# Altium PCB BGA_ACUity.PcbDoc (part 4 of 6) (continued)
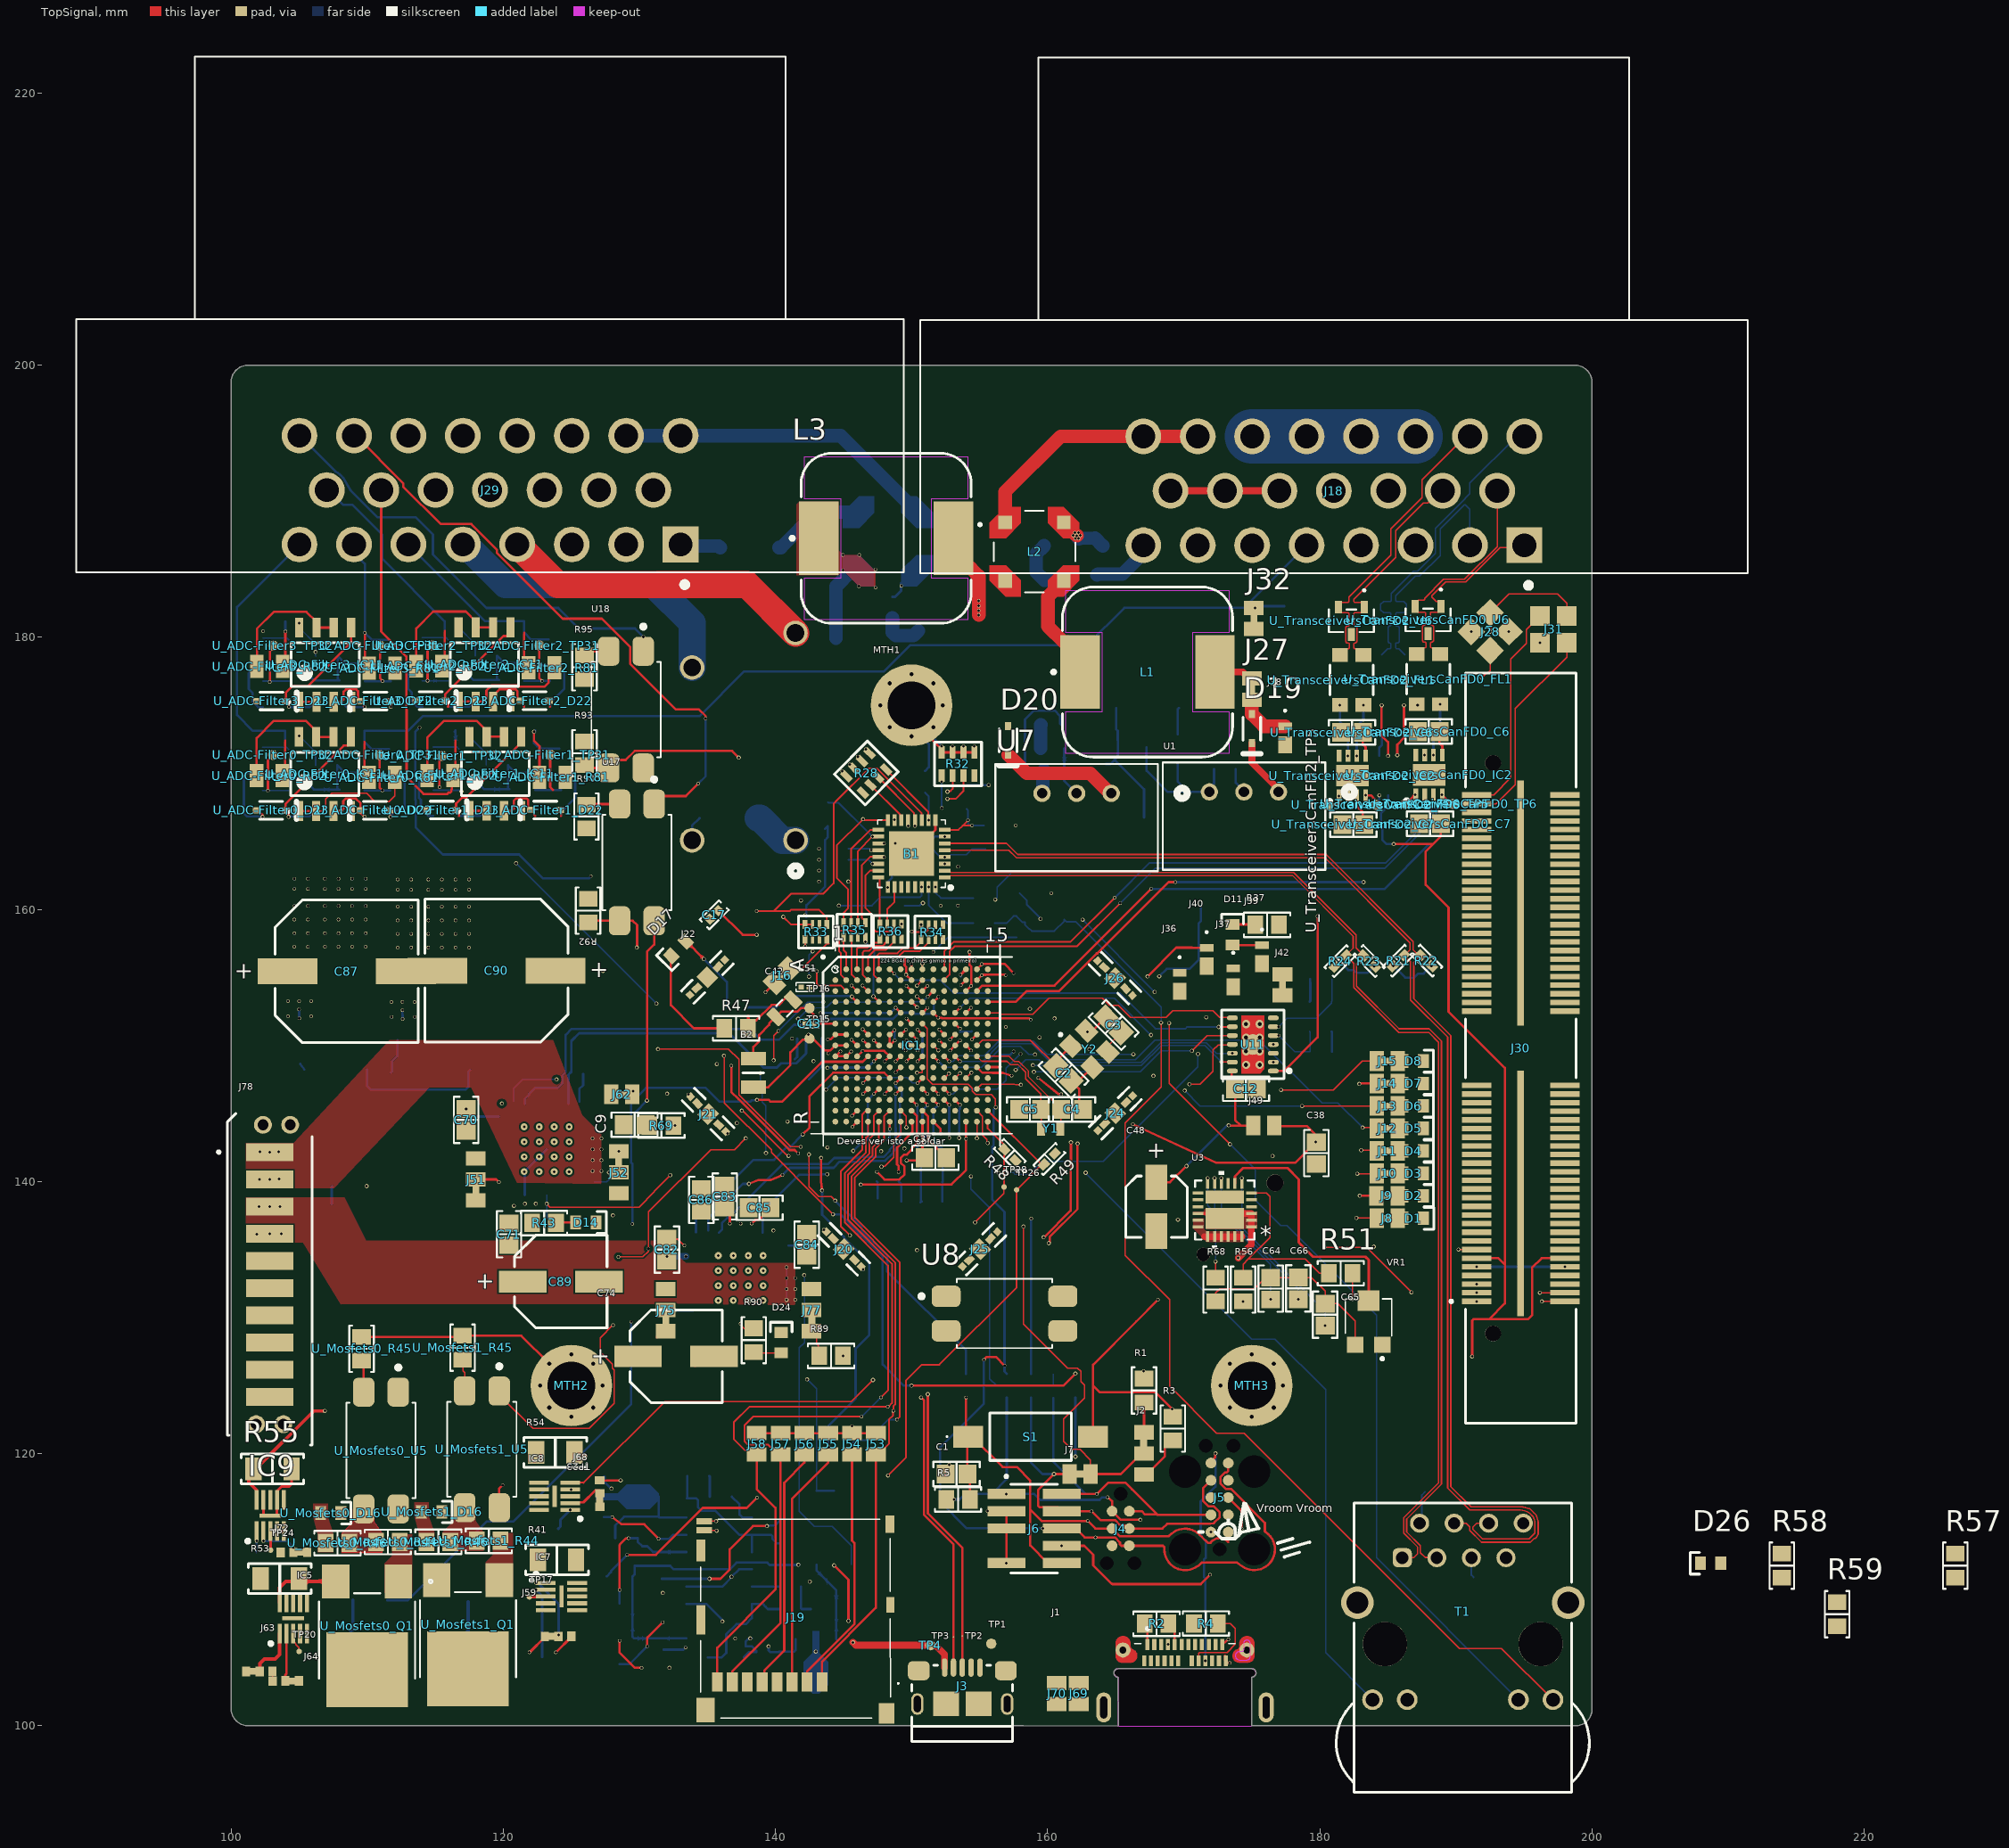
[diagram p0: TopSignal view]
## Nets (pads, with @x,y where several pads share a name; then routed paths per layer and width w, separated by ;. In a path a pad name is that pad's centre, name@x,y a point inside that pad or via, vN(x,y) a via of type N, cw(c..) or ccw(c..) an arc to the next point about the centre after c; other vN are vias at no path point) (continued)
  TopSignal w0.171: U_ADC-Filter2_R82.1@115.504,177.874 115.697,178.067 115.697,180.447
  BottomSignal w0.113: U_ADC-Filter2_R87.1@114.046,179.967 115.801,179.967 U_ADC-Filter2_C79.2@115.951,179.817
  BottomSignal w0.171: J29.15@107.031,190.818 107.152,190.818 108.247,189.723 108.927,189.723 111.1,187.55 111.1,185.773 U_ADC-Filter2_TP30.P2@115.697,181.176 U_ADC-Filter2_C79.2@115.697,180.447
ADC_B3: IC10.6 IC10.7 pad.1@102.342,180.447 pad.1@103.993,180.427 U_ADC-Filter3_C79.2 U_ADC-Filter3_R82.1 U_ADC-Filter3_R87.1 U_ADC-Filter3_TP30.P2 | length 99.7
  TopSignal w0.171: U_ADC-Filter3_R82.1@103.385,177.439 U_ADC-Filter3_R82.1@103.8,177.854 103.993,178.047 pad.1@103.993,180.427
  Ground w0.09: pad.1@103.993,180.427 103.993,178.495 100.664,175.166 100.664,159.096 105.209,154.55 120.1,154.55 125.262,149.388 125.262,141.549 125.915,140.896 125.915,140.858 126.764,140.009 126.926,140.009 128.056,138.88 v1(128.056,137.506)
  Power w0.09: v1(128.056,137.506) 128.056,137.083 130.762,134.377 137.44,127.698 140.088,127.698 v1(142.33,125.456)
  BottomSignal w0.09: v1(142.33,125.456) 143.027,124.758 IC10.6@143.027,117.272
  BottomSignal w0.113: U_ADC-Filter3_R87.1@102.342,179.947 104.097,179.947 U_ADC-Filter3_C79.2@104.247,179.797
  BottomSignal w0.171: pad.1@103.993,180.427 U_ADC-Filter3_TP30.P2@103.993,181.156 ; IC10.6@143.027,117.272 IC10.7@144.297,117.272
AN_ADC_A0: IC1.N10 pad.1@111.116,168.741 pad.1@151.648,143.5 pad.1@151.968,145.632 U_ADC-Filter0_R83.1 U_ADC-Filter0_R85.2 U_ADC-Filter0_TP31.P2 | length 52.4
  TopSignal w0.09: v1(137.531,145.203) 137.568,145.203 140.809,141.962 140.828,141.962 140.903,141.887 v1(140.96,141.887)
  TopSignal w0.171: U_ADC-Filter0_TP31.P2@110.917,171.347 110.917,168.962 111.116,168.762 pad.1@111.116,168.741 ; IC1.N10@151.6,146 pad.1@151.968,145.632
  Ground w0.09: v1(127.327,155.474) 127.336,155.474 137.336,145.475 137.336,145.411 137.531,145.217 v1(137.531,145.203)
  Power w0.09: 118.937,163.864 v1(127.327,155.474) ; v1(140.96,141.887) 141.29,141.843 144.215,139.201 147.993,139.201 149.097,140.305 149.214,140.305 149.445,140.536 149.445,140.566 149.774,140.895 149.782,140.904 151.668,143.348 pad.1@151.648,143.5
  BottomSignal w0.171: U_ADC-Filter0_R83.1@109.811,168.741 pad.1@111.116,168.741 U_ADC-Filter0_R85.2@111.716,168.741 ; pad.1@151.648,143.5 151.6,143.548 151.6,145.264 pad.1@151.968,145.632
AN_ADC_A1: IC1.M10 pad.1@151.968,146.432 U_ADC-Filter1_R83.1 U_ADC-Filter1_R85.2 U_ADC-Filter1_TP31.P2 | length 5.1
  TopSignal w0.171: U_ADC-Filter1_TP31.P2@123.446,171.364 123.446,168.979 123.646,168.78 123.646,168.758 ; IC1.M10@151.6,146.8 pad.1@151.968,146.432
  BottomSignal w0.171: U_ADC-Filter1_R83.1@122.34,168.758 U_ADC-Filter1_R85.2@124.245,168.758
AN_ADC_A2: IC1.L9 pad.1@122.844,176.792 pad.1@150.432,147.232 U_ADC-Filter2_R83.1 U_ADC-Filter2_R85.2 U_ADC-Filter2_TP31.P2 | length 57
  TopSignal w0.171: U_ADC-Filter2_TP31.P2@122.645,179.398 122.645,177.013 122.844,176.813 pad.1@122.844,176.792 ; pad.1@150.432,147.232 IC1.L9@150.8,147.6
  Ground w0.09: pad.1@122.844,176.792 122.844,175.461 130.734,167.571 130.734,152.943 139.271,144.406 v1(140.89,144.406)
  Power w0.09: v1(140.89,144.406) 141.363,144.406 v1(143.712,146.755)
  BottomSignal w0.09: v1(143.712,146.755) 144.584,147.627 149.684,147.627 150.079,147.232 pad.1@150.432,147.232
  BottomSignal w0.171: U_ADC-Filter2_R83.1@121.539,176.792 pad.1@122.844,176.792 U_ADC-Filter2_R85.2@123.444,176.792
AN_ADC_A3: IC1.R10 pad.1@111.14,176.772 U_ADC-Filter3_R83.1 U_ADC-Filter3_R85.2 U_ADC-Filter3_TP31.P2 | length 66.6
  TopSignal w0.171: U_ADC-Filter3_TP31.P2@110.941,179.378 110.941,176.993 111.14,176.793 pad.1@111.14,176.772 ; IC1.R10@151.6,144.4 152.123,143.877 152.123,143.525 v2@152.148,143.5
  Ground w0.09: pad.1@111.14,176.772 124.94,162.972 124.94,157.235 140.84,141.335 142.654,141.335 v1(143.819,142.5)
  Power w0.09: v1(143.819,142.5) 144.197,142.878 145.606,142.878 146.228,143.5 146.487,143.5 147.405,144.418 151.582,144.418 151.969,144.031 151.995,144.005 v2@152.148,143.5
  BottomSignal w0.171: U_ADC-Filter3_R83.1@109.835,176.772 pad.1@111.14,176.772 U_ADC-Filter3_R85.2@111.74,176.772
  other v2: 152.136,143.512
AN_ADC_B0: IC1.R7 pad.1@102.711,168.734 U_ADC-Filter0_R84.2 U_ADC-Filter0_R88.2 U_ADC-Filter0_TP32.P2 | length 69.8
  TopSignal w0.09: v5(147.787,141.088) 147.827,141.129 148.018,141.129 148.677,141.787 148.677,142.991 149.2,143.514 IC1.R7@149.2,144.4
  TopSignal w0.171: pad.1@102.711,168.734 102.711,170.965 103.08,171.333 U_ADC-Filter0_TP32.P2@103.08,171.347
  Ground w0.09: pad.1@102.711,168.734 102.711,166.559 103.936,165.335 108.392,165.335 110.975,162.752 110.975,157.166 112.891,155.25 122.68,155.25 136.835,141.095 147.781,141.095 v5(147.787,141.088)
  BottomSignal w0.113: U_ADC-Filter0_R88.2@102.318,168.741 102.711,168.741 U_ADC-Filter0_R84.2@104.223,168.741
AN_ADC_B1: IC1.M9 pad.1@115.316,168.986 pad.1@151.168,146.432 U_ADC-Filter1_R84.2 U_ADC-Filter1_R88.2 U_ADC-Filter1_TP32.P2 | length 52.1
  TopSignal w0.171: pad.1@115.316,168.95 pad.1@115.316,168.986 115.316,170.914 115.526,171.124 U_ADC-Filter1_TP32.P2@115.526,171.281 ; IC1.M9@150.8,146.8 pad.1@151.168,146.432
  Ground w0.09: v1(116.932,168.664) 116.669,168.401 116.669,167.66 v1(120.941,163.388) ; v1(131.25,153.079) 131.25,153.071 v1(135.686,148.636)
  Power w0.09: v1(135.686,148.636) 136.243,148.636 136.361,148.753 136.656,149.049 137.416,149.809 143.94,149.809 144.926,150.795 147.554,150.795 149.237,149.112 149.237,148.668 149.871,148.035 149.871,146.969 150.04,146.8 150.8,146.8 pad.1@151.168,146.432
  BottomSignal w0.09: v1(120.941,163.388) v1(131.25,153.079)
  BottomSignal w0.113: U_ADC-Filter1_R88.2@114.847,168.758 116.838,168.758 v1(116.932,168.664)
AN_ADC_B2: IC1.M11 pad.1@114.441,176.804 pad.1@152.768,146.432 U_ADC-Filter2_R84.2 U_ADC-Filter2_R88.2 U_ADC-Filter2_TP32.P2 | length 78.4
  TopSignal w0.171: pad.1@114.441,176.768 pad.1@114.441,176.804 114.441,179.014 114.808,179.381 U_ADC-Filter2_TP32.P2@114.808,179.398 ; IC1.M11@152.4,146.8 pad.1@152.768,146.432
  Ground w0.171: v1(141.876,160.657) 141.887,160.669 146.048,160.669 149.217,157.5 156.025,157.5 158.008,155.517 v2(158.008,149.376)
  Power w0.09: v2(113.857,173.356) 114.441,173.94 pad.1@114.441,176.804 ; v2(126.444,162.442) 140.091,162.442 v1(141.876,160.657) ; pad.1@152.749,146.413 pad.1@152.768,146.432
  BottomSignal w0.09: pad.1@152.768,146.432 153.045,146.432 153.413,146.8 156.301,146.8 156.5,146.999 156.955,147.454 156.955,148.323 v2(158.008,149.376)
  BottomSignal w0.113: U_ADC-Filter2_R88.2@114.046,176.792 114.441,176.792 U_ADC-Filter2_R84.2@115.951,176.792
  BottomSignal w0.171: v2(113.857,173.356) 113.538,173.036 113.538,168.068 113.581,168.025 113.581,166.012 115.559,164.034 121.168,164.034 122.92,162.282 126.284,162.282 v2(126.444,162.442)
AN_ADC_B3: IC1.N11 pad.1@102.85,176.711 pad.1@152.768,145.632 pad.1@152.781,143.205 U_ADC-Filter3_R84.2 U_ADC-Filter3_R88.2 U_ADC-Filter3_TP32.P2 | length 79.9
  TopSignal w0.09: v1(131.37,149.728) 131.38,149.738 136.549,149.738 137.308,148.98 137.308,146.37 141.129,142.548 v2(141.869,142.548)
  TopSignal w0.171: pad.1@102.85,176.711 102.85,178.988 103.104,179.242 U_ADC-Filter3_TP32.P2@103.104,179.378 ; IC1.N11@152.4,146 pad.1@152.768,145.632
  Ground w0.09: pad.1@102.85,176.711 103.703,175.858 103.82,175.858 110.573,169.105 110.573,168.553 116.537,162.589 117.839,162.589 130.7,149.728 v1(131.37,149.728)
  Power w0.09: v2(141.869,142.548) 141.452,142.711 140.714,142.388 140.688,142.322 140.681,142.305 140.668,142.292 140.593,142.217 140.593,142.079 140.565,142.051 140.565,141.723 140.796,141.492 141.051,141.492 141.082,141.461 143.232,138.961 143.285,138.908 143.325,138.908 144.363,138.986 cw(c144.393,138.592) 144.394,138.987 148.047,138.972 148.121,138.972 149.263,140.113 149.293,140.113 149.637,140.457 149.637,140.487 151.929,142.779 152.355,142.779 pad.1@152.781,143.205
  BottomSignal w0.113: U_ADC-Filter3_R88.2@102.342,176.772 U_ADC-Filter3_R84.2@104.247,176.772
  BottomSignal w0.171: pad.1@152.768,145.632 152.768,143.607 152.781,143.559 pad.1@152.781,143.205
AVCC0_8: C35.2 C36.2 IC1.N8 J46.P1 pad.1@150.368,145.632 | length 7.5
  TopSignal w0.171: IC1.N8@150,146 pad.1@150.368,145.632
  BottomSignal w0.171: pad.1@150.368,145.632 150.368,145.611 150.419,145.56 150.419,142.365 150.509,142.275 C35.2@150.75,142.275 ; J46.P1@150.65,138.475 150.75,138.525 150.725,138.55 150.7,138.575 C36.2@150.7,140 C35.2@150.7,141.75
AVSS0_8: C35.1 C36.1 IC1.N9 J45.P0 pad.1@151.181,145.618 | length 7.9
  TopSignal w0.171: IC1.N9@150.8,146 pad.1@151.181,145.618
  BottomSignal w0.171: pad.1@151.181,145.618 150.8,145.237 150.8,143.53 151.88,142.45 152.214,142.45 ; J45.P0@152.25,138.525 152.25,139.95 C36.1@152.3,140 C35.1@152.3,141.75
Board_EXTAL_4: C3.2 IC1.H15 Y2.3 | length 1.8
  TopSignal w0.102: Y2.3@164.412,149.521 164.412,149.945 C3.2@165.412,150.945
Board_XCIN_4: C4.2 IC1.J15 Y1.1 | length 8.7
  TopSignal w0.102: IC1.J15@155.6,149.2 157.166,149.2 157.56,148.805 157.9,148.805 158.591,148.114 158.591,147.695 160.134,146.152 160.214,146.152 160.304,146.062 160.304,146.008 160.363,145.948 160.388,145.948 160.987,145.349 160.987,143.964 Y1.1@160.925,143.902
Board_XCOUT_4: C5.2 IC1.J14 Y1.2 | length 8.7
  TopSignal w0.102: IC1.J14@154.8,149.2 155.166,148.834 157.016,148.834 157.248,148.602 157.815,148.602 158.387,148.03 158.387,147.546 159.501,146.432 C5.2@159.501,145.299 159.525,145.275 Y1.2@159.525,143.902
Board_XTAL_4: C2.2 IC1.H14 Y2.1 | length 8.6
  TopSignal w0.09: IC1.H14@154.8,150 155.2,150.4 158.718,150.4 C2.2@160.597,148.521
  TopSignal w0.171: C2.2@160.597,148.521 160.597,148.818 Y2.1@161.724,149.945
BOTAO_0: IC1.E7 pad.1@148.832,152.768 R92.2 U17.3 | length 29.1
  TopSignal w0.171: R92.2@126.238,159.032 126.365,159.159 U17.3@128.549,159.159 129.522,159.159 129.837,158.844 129.837,157.311 v1@129.813,157.286 ; pad.1@148.832,152.768 IC1.E7@149.2,152.4
  Power w0.171: v1@129.813,157.286 v1(129.813,157.194) 129.813,153.901 131.313,152.4 137.383,152.4 137.415,152.432 142.836,152.432 142.883,152.385 v2(143.303,152.385)
  BottomSignal w0.171: v2(143.303,152.385) 143.318,152.4 148.464,152.4 148.514,152.45 pad.1@148.832,152.768
BOTAO_1: IC1.C13 R93.2 U18.3 | length 38.6
  TopSignal w0.171: R93.2@125.974,170.596 126.178,170.392 U18.3@127.749,170.392 128.336,170.979 128.991,170.979 129.656,171.644 136.819,171.644 v6(137.307,171.155) ; IC1.C13@154,154 v2(154.368,154.368) 154.368,154.389 154.4,154.421 154.4,155.766 154.266,155.899 v6(154.266,156.871)
  Power w0.171: v6(137.307,171.155) 145.785,162.677 145.785,161.781 149.656,157.91 149.738,157.91 150.236,157.412 153.737,157.412 154.266,156.883 v6(154.266,156.871)
BufferIN_11: 1.2 C75.2 IC10.3 Q10.3 | length 6.1
  BottomSignal w0.171: IC10.3@143.027,111.822 143.027,111.397 144.469,109.955 Q10.3@144.469,106.354
BUTTON_0: J29.22 U17.1 | length 44.4
  TopSignal w0.171: J29.22@109.031,194.818 109.152,194.818 112.652,191.318 112.652,191.076 115.411,188.317 117.652,188.317 119.532,186.438 119.532,186.197 124.365,181.363 127.242,181.363 129.317,179.288 129.317,178.059 132.679,174.697 134.381,174.697 134.865,174.213 v2(134.865,174.022) ; U17.1@131.089,167.739 131.677,168.326 133.412,168.326 v2(134.326,169.241)
  BottomSignal w0.171: v2(134.326,169.241) 134.865,169.779 v2(134.865,174.022)
BUTTON_1: J29.23 U18.1 | length 32.4
  BottomSignal w0.171: J29.23@105.031,194.818 107.678,192.171 cw(c107.031,190.818) 108.323,191.579 108.787,190.791 108.814,190.757 110.752,188.818 113.557,188.818 114.831,187.544 114.831,186.082 118.761,182.152 124.047,182.152 125.554,180.645 129.681,180.645 v2(130.289,180.037)
CAGE: J1.S1 J1.S2 J1.S3 J3.S J19.11 J19.12 J19.13 J19.14 J19.15 J19.16 J20.1 J21.1 J22.1 J24.1 J25.1 J26.1 J69.P0 J70.P0 pad.1@133.6,146.4 pad.1@136.491,143.537 pad.1@143.561,136.467 pad.1@146.45,133.55 T1.Shell
CAN_H0: J18.9 U_TransceiversCanFD0_FL1.3 U_TransceiversCanFD0_U6.2 | length 17
  TopSignal w0.096: U_TransceiversCanFD0_FL1.3@187.105,178.758 187.557,179.21 187.74,179.21 187.796,179.266 187.796,179.592 187.74,179.648 187.619,179.648 187.532,179.735 187.532,180.793 187.619,180.88 187.715,180.88 187.771,180.936 187.771,181.797 187.715,181.853 187.209,181.853 186.993,182.07 186.993,182.475 187.236,182.719 187.637,182.719 187.693,182.775 187.693,182.868 189.084,184.258 190.622,184.258 193.028,186.665 J18.9@193.028,190.762
CAN_H1: J18.2 U_TransceiversCanFD1_FL1.3 U_TransceiversCanFD1_U6.2 | length 18.5
  BottomSignal w0.096: U_TransceiversCanFD1_FL1.3@186.256,178.699 185.804,179.151 185.621,179.151 185.565,179.207 185.565,179.533 185.621,179.589 185.742,179.589 185.829,179.676 185.829,180.733 185.742,180.821 185.621,180.821 185.565,180.877 185.565,181.738 185.621,181.794 186.152,181.794 186.368,182.01 U_TransceiversCanFD1_U6.2@186.368,182.213 186.368,182.416 186.152,182.632 185.646,182.632 185.59,182.688 185.59,183.065 187.021,184.496 187.321,184.496 188.837,186.012 188.837,187.96 190.611,189.734 190.69,189.734 191.028,189.396 J18.2@191.028,186.762
CAN_H2: J18.17 U_TransceiversCanFD2_FL1.3 U_TransceiversCanFD2_U6.2 | length 21.9
  TopSignal w0.096: U_TransceiversCanFD2_FL1.3@181.47,178.698 181.922,179.15 182.105,179.15 182.161,179.206 182.161,179.532 182.105,179.588 181.984,179.588 181.897,179.675 181.897,180.733 181.984,180.82 182.105,180.82 182.161,180.876 182.161,181.12 182.136,181.145 182.136,181.737 182.08,181.793 181.574,181.793 181.358,182.01 U_TransceiversCanFD2_U6.2@181.358,182.212 181.358,182.349 181.574,182.566 182.08,182.566 182.136,182.622 182.136,182.937 185.219,186.019 185.219,187.977 187.493,190.252 187.493,191.558 190.697,194.762 J18.17@191.028,194.762
CAN_L0: J18.1 U_TransceiversCanFD0_FL1.2 U_TransceiversCanFD0_U6.1 | length 14.3
  TopSignal w0.096: U_TransceiversCanFD0_FL1.2@188.835,178.758 188.383,179.21 188.2,179.21 188.144,179.266 188.144,179.592 188.2,179.648 188.271,179.648 188.358,179.735 188.358,180.793 188.271,180.88 188.175,180.88 188.119,180.936 188.119,181.797 188.175,181.853 188.681,181.853 188.898,182.07 188.898,182.407 188.681,182.624 188.546,182.624 188.229,182.941 188.229,183.053 189.237,184.061 190.703,184.061 193.231,186.589 194.855,186.589 J18.1@195.028,186.762
CAN_L1: J18.16 U_TransceiversCanFD1_FL1.2 U_TransceiversCanFD1_U6.1 | length 22.5
  BottomSignal w0.096: U_TransceiversCanFD1_FL1.2@184.526,178.699 184.978,179.151 185.161,179.151 185.217,179.207 185.217,179.533 185.161,179.589 185.09,179.589 185.002,179.676 185.002,180.733 185.09,180.821 185.161,180.821 185.217,180.877 185.217,181.738 185.161,181.794 184.679,181.794 184.463,182.01 U_TransceiversCanFD1_U6.1@184.463,182.213 184.463,182.416 184.679,182.632 185.186,182.632 185.242,182.688 185.242,183.209 186.877,184.844 187.177,184.844 188.49,186.156 188.49,187.368 188.49,188.006 190.356,189.873 191.027,190.544 191.027,191.331 194.458,194.762 J18.16@195.028,194.762
CAN_L2: J18.10 U_TransceiversCanFD2_FL1.2 U_TransceiversCanFD2_U6.1 | length 17
  TopSignal w0.096: U_TransceiversCanFD2_FL1.2@183.2,178.698 182.748,179.15 182.565,179.15 182.509,179.206 182.509,179.532 182.565,179.588 182.636,179.588 182.723,179.675 182.723,180.733 182.636,180.82 182.565,180.82 182.509,180.876 182.509,181.264 182.484,181.289 182.484,181.737 182.54,181.793 183.046,181.793 183.263,182.01 U_TransceiversCanFD2_U6.1@183.263,182.212 183.263,182.349 183.046,182.566 182.54,182.566 182.484,182.622 182.484,182.793 185.566,185.875 185.566,187.833 187.604,189.871 187.939,189.871 188.829,190.762 J18.10@189.028,190.762
CANFD_MISO: IC1.M14 U11.11 | length 21.1
  TopSignal w0.09: IC1.M14@154.8,146.8 154.8,146.808 155.151,147.16 157.577,147.16 157.623,147.114 v1(158.034,147.114) ; v1(170.411,147.149) 171.19,147.149 172.147,148.106 172.147,149.657 172.533,150.044 173.544,150.044 U11.11@173.575,150.075
  Ground w0.09: v1(158.034,147.114) 158.051,147.131 170.394,147.131 v1(170.411,147.149)
CANFD_MOSI: IC1.L12 U11.12 | length 22.2
  TopSignal w0.09: IC1.L12@153.2,147.6 153.204,147.6 153.562,147.958 v1(153.565,147.958)
  Power w0.09: v1(153.565,147.958) 153.874,147.958 154.232,147.6 156.523,147.6 157.124,148.201 v1(157.649,148.201)
  BottomSignal w0.09: v1(157.649,148.201) 158.393,148.944 159.37,148.944 159.547,148.767 166.871,148.767 168.295,150.192 171.644,150.192 171.835,150 171.84,150 172.415,149.425 v1(173.575,149.425)
CANFD_SCK: IC1.L13 U11.10 | length 21.6
  TopSignal w0.09: IC1.L13@154,147.6 v1(154.395,147.995) ; v1(170.593,149.605) 171.713,150.725 U11.10@173.575,150.725
  Power w0.09: v1(154.395,147.995) 156.647,147.995 157.248,148.596 157.821,148.596 158.362,148.055 v1(158.992,148.055)
  BottomSignal w0.09: v1(158.992,148.055) 166.809,148.055 168.358,149.605 170.501,149.605 v1@170.593,149.697 ; v1(170.593,149.605) v1@170.593,149.697 ; v1@170.69,149.645 170.645,149.645 v1@170.593,149.697
CANFD_SS: IC1.L11 U11.13 | length 22.9
  TopSignal w0.09: IC1.L11@152.4,147.6 152.407,147.6 152.735,147.928 v1(152.742,147.928) ; v1(172.775,148.789) 172.782,148.782 173.568,148.782 U11.13@173.575,148.775
  Power w0.09: v1(152.742,147.928) 153.155,148.341 153.155,148.347 153.208,148.4 155.382,148.4 ; 155.382,148.401 155.92,148.401 156.336,148.817 158.33,148.817 158.597,148.549 v1(158.915,148.549)
  BottomSignal w0.09: v1(158.915,148.549) 158.955,148.509 166.884,148.509 168.375,150 171.564,150 v1(172.775,148.789)
CMOS_DRIVE0_0: IC1.C10 pad.1@151.198,153.598 U2.2 | length 34.7
  TopSignal w0.09: IC1.C10@151.6,153.998 IC1.C10@151.6,154
  TopSignal w0.171: pad.1@151.2,153.598 IC1.C10@151.6,153.998
  Power w0.09: v1(123.915,147.497) 131.645,147.497 134.454,150.307 140.017,150.307 v1(141.664,151.954)
  BottomSignal w0.09: U2.2@120.79,145.867 120.79,146.838 121.449,147.497 v1(123.915,147.497) ; v1(141.664,151.954) 142.43,152.72 143.522,152.796 143.529,152.797 143.537,152.797 143.574,152.801 143.783,152.823 144.152,153.192 146.8,153.192 146.808,153.2 150.8,153.2 pad.1@151.198,153.598
CMOS_DRIVE0_1: IC1.B9 U2.1 | length 40.1
  TopSignal w0.09: v1(150.398,154.398) IC1.B9@150.8,154.8
  Ground w0.09: v1(132.04,146.448) 134.191,144.298 v1(137.161,144.298) ; v1(142.794,148.841) 142.849,149.097 142.849,150.912 142.77,150.991 142.77,153.195 143.573,153.998 147.363,153.998 147.388,153.973 149.973,153.973 v1(150.398,154.398)
  Power w0.09: v1(119.9,145.727) 119.9,146.585 120.395,147.079 131.409,147.079 v1(132.04,146.448) ; v1(137.161,144.298) 138.305,144.298 142.794,148.786 v1(142.794,148.841)
CMOS_DRIVE0_INV: IC1.C9 pad.1@151.168,154.368 U2.7 | length 36.4
  TopSignal w0.171: IC1.C9@150.8,154 pad.1@151.168,154.368
  Power w0.09: v1(142.419,150.789) 143.442,151.811 148.087,151.811 148.279,152.003 148.279,152.773 148.907,153.402 149.641,153.402 150.236,153.997 150.797,153.997 pad.1@151.168,154.368
  BottomSignal w0.191: U2.7@124.79,145.717 124.79,147.851 125.003,148.064 125.003,150.327 125.571,150.895 136.606,150.895 139.121,148.38 140.109,148.38 140.418,148.689 141.532,148.689 142.258,149.415 142.258,150.628 v1(142.419,150.789) v1@142.481,150.85
CMOS_DRIVE0_SF: IC1.D9 R39.1 R43.2 U2.21 | length 37.8
  TopSignal w0.09: v1(123.19,138.367) 123.44,138.117 129.977,138.117 131.101,139.242 131.101,139.301 v1(132.267,140.466) ; v1(139.875,148.904) 139.875,150.725 v2(140.207,151.056) ; v1(150.4,153.602) 150.794,153.207 IC1.D9@150.794,153.2
  TopSignal w0.171: IC1.D9@150.794,153.2 IC1.D9@150.8,153.2
  Ground w0.09: v1(143.515,153.192) 145.897,153.192 145.913,153.208 150.004,153.208 150.398,153.602 v1(150.4,153.602)
  Power w0.09: v1(132.267,140.466) 132.267,140.793 139.875,148.401 v1(139.875,148.904)
  BottomSignal w0.09: R39.1@123,137.15 123.19,137.34 U2.21@123.19,139.017 ; v2(140.207,151.056) 140.208,151.056 141.5,152.349 141.539,152.349 142.381,153.192 v1(143.515,153.192)
CMOS_DRIVE0_SLEW: IC1.D10 pad.1@151.968,153.568 U2.3 | length 37.4
  TopSignal w0.171: IC1.D10@151.6,153.2 pad.1@151.968,153.568
  BottomSignal w0.171: U2.3@121.59,145.717 121.59,146.067 121.903,146.38 121.903,146.444 122.339,146.881 123.992,146.881 124.35,147.238 124.35,147.811 124.591,148.051 124.591,150.783 125.02,151.213 138.154,151.213 138.953,150.414 140.268,150.414 141.373,151.518 142.524,151.518 142.93,151.925 143.106,151.948 143.128,151.95 148.629,151.95 149.083,152.403 150.168,152.403 150.251,152.32 151.336,152.32 151.644,152.629 151.644,153.244 pad.1@151.968,153.568
CMOS_DRIVE1_0: IC1.L7 pad.1@140.506,140.471 pad.1@148.832,147.232 U16.2 | length 22.5
  TopSignal w0.171: v5(138.049,139.827) 138.728,140.106 139.65,140.119 pad.1@140.506,140.471 ; pad.1@148.832,147.232 IC1.L7@149.2,147.6
  BottomSignal w0.171: U16.2@135.05,136.4 135.05,137.275 137.602,139.827 v5(138.049,139.827) ; pad.1@140.506,140.471 141.04,141.005 144.27,141.005 144.719,141.454 146.356,141.454 146.425,141.524 148.062,141.524 148.666,142.128 148.666,142.228 149.141,142.703 149.141,146.125 149.267,146.252 149.267,146.612 149.012,146.867 148.932,146.867 148.832,146.967 pad.1@148.832,147.232
CMOS_DRIVE1_1: IC1.L6 U16.1 | length 21.3
  TopSignal w0.171: v1(142.005,143.455) 142.5,143.951 142.5,146.266 144.235,148 148,148 IC1.L6@148.4,147.6
  BottomSignal w0.171: U16.1@134.16,136.26 U16.1@134.16,136.67 134.16,137.368 138.381,141.589 139.892,141.589 140.826,142.523 141.072,142.523 v1(142.005,143.455)
CMOS_DRIVE1_INV: IC1.M5 pad.1@147.232,146.432 U16.7 | length 15.6
  TopSignal w0.171: pad.1@147.232,146.432 IC1.M5@147.6,146.8
  Power w0.171: v1(143.796,140.531) 143.819,140.553 144.202,140.553 145.467,141.818 145.567,141.918 v1(145.718,142.253)
  BottomSignal w0.171: U16.7@139.05,136.25 139.05,137.8 141.753,140.503 143.301,140.503 143.328,140.531 v1(143.796,140.531) ; v1(145.718,142.253) 146.18,142.715 146.363,142.715 146.8,143.151 146.8,146 pad.1@147.232,146.432
CMOS_DRIVE1_SF: R89.1 R90.2 U16.21 | length 9.7
  TopSignal w0.09: v5(137.45,129.55) 137.45,129.493 137.599,129.344 137.599,129.302 137.734,129.167 138.364,129.167 R90.2@138.409,129.212
  Power w0.09: v5(137.45,129.55) 138.845,128.155 142.714,128.155 142.73,128.139 144.009,128.139 v1(144.959,127.189)
CMOS_DRIVE1_SLEW: IC1.M7 pad.1@148.832,146.432 U16.3 | length 20.2
  TopSignal w0.171: pad.1@148.832,146.432 IC1.M7@149.2,146.8
  BottomSignal w0.171: U16.3@135.85,136.25 136.065,136.465 136.065,136.93 136.47,137.335 136.585,137.335 140.527,141.277 143.868,141.277 144.317,141.726 146.098,141.726 146.168,141.796 147.949,141.796 148.394,142.241 148.394,142.341 148.839,142.786 148.839,143.942 148.832,143.949 pad.1@148.832,146.432
CompOUT: D15.2 IC10.1 IC10.5 K1.1 | length 61.6
  Ground w0.09: v1(138.891,147.98) 138.891,152.158 141.475,154.742 K1.1@141.475,165.075
  Power w0.09: v1(139.302,142.099) 139.302,140.698 142.113,137.887 v1(142.113,133.125)
  BottomSignal w0.09: v1(138.891,147.98) 138.891,146.954 139.034,146.811 139.034,145.841 139.302,145.573 v1(139.302,142.099) ; v1(142.113,133.125) 142.126,133.111 142.126,128.155 141.757,127.786 IC10.5@141.757,117.272 141.757,115.766 142.87,114.654 144.168,114.654 145.567,113.255 IC10.1@145.567,111.822
  BottomSignal w2: D15.2@138.725,166.7 138.875,166.7 140.5,165.075 K1.1@141.475,165.075
DAC0: IC1.P7 J30.13 | length 47.6
  TopSignal w0.09: IC1.P7@149.2,145.2 149.622,144.778 v5(149.622,143.983) ; v1(190.183,135) J30.13@191.516,135.001 J30.13@191.516,135.001
  Ground w0.09: v5(149.622,143.983) 149.605,143.966 149.605,143.698 149.576,143.669 149.576,143.458 150.134,142.9 151.567,142.9 151.767,142.7 152.949,142.7 152.996,142.746 154.835,142.746 161.315,136.266 170.922,136.266 172.403,134.785 180.148,134.785 180.165,134.769 189.485,134.769 189.716,135 v1(190.183,135)
GND_SENSED0: IC5.10 R53.2 U_Mosfets0_Q1.3 | length 5.4
  TopSignal w0.251: IC5.10@103.572,109.068 103.572,110.159 104.025,110.613 U_Mosfets0_Q1.3@107.695,110.613
GND_SENSED1: IC7.10 R41.2 U_Mosfets1_Q1.3
GND_SENSED2: IC8.10 R54.2 U_Mosfets2_Q1.3
GND_SENSED3: IC9.10 R55.2 U_Mosfets3_Q1.3 | length 8.8
  TopSignal w0.254: IC9.10@101.879,117.325 101.309,117.896 101.309,118.359 101.733,118.784 106.089,123.14 v5(106.893,123.14)
GPIO_0: IC1.P14 J30.01 | length 43.4
  TopSignal w0.09: IC1.P14@154.8,145.2 155.2,144.8 155.2,143.425 155.551,143.074 155.551,142.865 v1(155.592,142.825)
  Ground w0.09: v1(155.592,142.825) 161.551,136.865 168.064,136.865 168.123,136.807 172.404,136.807 173.565,135.646 183.528,135.646 v1(183.965,135.209)
  Power w0.09: v1(183.965,135.209) 187.983,131.191 v1(191.516,131.191)
GPIO_1: IC1.R14 J30.03 | length 42.7
  TopSignal w0.09: v5(154.8,143.174) IC1.R14@154.8,144.4 ; v1(180.344,135.164) 183.451,135.164 186.729,131.885 v5(186.729,131.852)
  Ground w0.09: v5(154.8,143.174) 155.197,142.778 155.197,142.661 161.243,136.615 172.325,136.615 173.791,135.149 180.328,135.149 v1(180.344,135.164) ; v5(186.729,131.852) 186.743,131.839 191.503,131.839 v5(191.516,131.826)
GPIO_2: IC1.N12 J30.05 pad.1@153.568,145.632 | length 45.8
  TopSignal w0.171: IC1.N12@153.2,146 pad.1@153.568,145.632
  Ground w0.09: v1(153.499,143.2) 153.909,143.609 155.366,143.609 161.774,137.202 v1(169.572,137.202)
  Power w0.09: v1(169.572,137.202) 169.612,137.162 169.857,137.162 171.374,135.646 184.354,135.646 187.56,132.44 191.495,132.44 v1(191.516,132.461)
  BottomSignal w0.171: v1(153.499,143.2) 153.499,145.286 153.568,145.355 pad.1@153.568,145.632
I3C_SCL: IC1.R15 IC5.5 IC7.5 IC8.5 IC9.5 R48.1 TP28.P2 | length 48.7
  TopSignal w0.09: 125.899,117.855 131.88,123.836 145.588,123.836 v1(147.165,125.413) ; v1(154.665,136.995) 156.794,139.124 TP28.P2@156.794,139.598
  TopSignal w0.131: IC8.5@124.924,117.865 125.888,117.865 125.899,117.855 ; IC1.R15@155.6,144.4 155.6,143.9 R48.1@156.871,142.629 ; TP28.P2@156.794,139.598 156.794,141.895 156.871,141.972 156.871,142.304 R48.1@156.818,142.357
  Power w0.09: v1(147.165,125.413) 154.665,132.913 v1(154.665,136.995)
I3C_SDA: IC1.P15 IC5.4 IC7.4 IC8.4 IC9.4 R49.2 TP26.P2 | length 58.1
  TopSignal w0.131: v1(148.276,118.394) 149.585,119.703 149.585,125.377 150.749,126.542 152.043,126.542 157.717,132.216 TP26.P2@157.717,139.385 R49.2@159.576,141.243 ; IC1.P15@155.6,145.2 159.557,141.243 R49.2@159.576,141.243 ; R49.2@159.718,141.243 R49.2@159.576,141.243
  Power w0.131: v1(125,117.365) 126.139,117.365 127.591,118.817 147.852,118.817 v1(148.276,118.394)
IN_IRQ: IC1.K9 J29.21 J30.04 | length 56.7
  TopSignal w0.09: v1(150.4,147.996) 150.747,147.996 150.8,148.049 IC1.K9@150.8,148.4 ; v1(196.167,131.826) J30.04@197.993,131.826
  Ground w0.09: v1(150.4,147.996) 151.15,147.996 151.554,148.4 154.549,148.4 155,147.949 155,145.8 162.165,138.635 180.81,138.635 183.808,135.636 191.882,135.636 195.692,131.826 v1(196.167,131.826)
IRQ0: IC1.A6 pad.1@148.723,155.277 U11.9 | length 27.1
  TopSignal w0.127: IC1.A6@148.4,155.6 pad.1@148.723,155.277 ; v5(172.568,151.359) 172.576,151.367 173.567,151.367 U11.9@173.575,151.375
  BottomSignal w0.127: pad.1@148.723,155.277 149.213,154.787 150.202,154.787 150.227,154.812 152.109,154.812 153.071,153.849 165.302,153.849 167.915,151.236 170.135,151.236 170.258,151.359 v5(172.568,151.359)